# KiCad board aquarius-plus.kicad_pcb (continued)
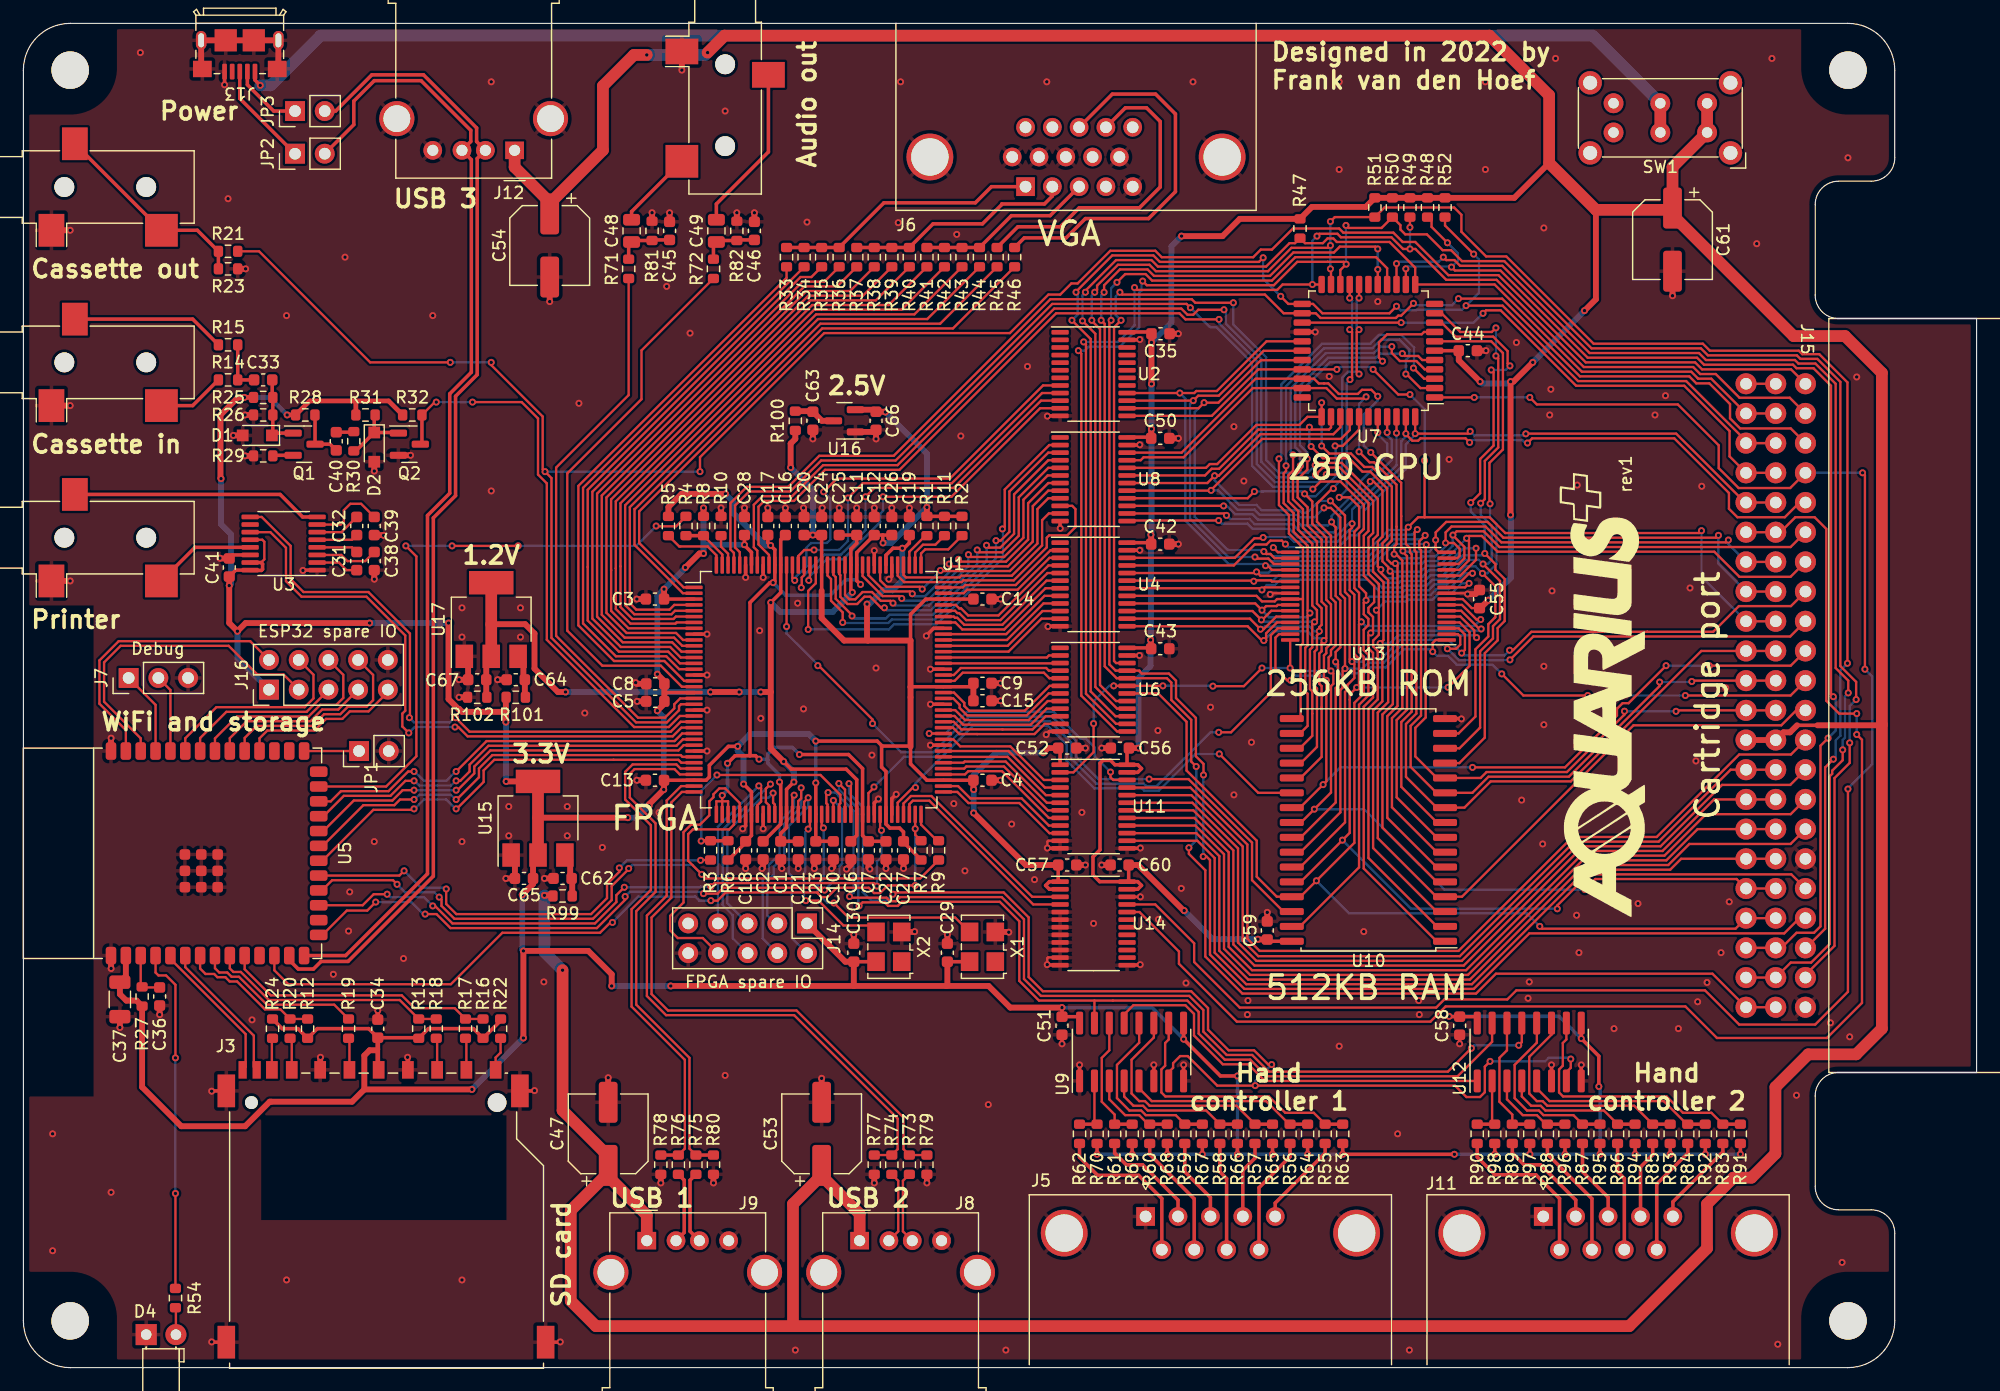
[diagram p0: board, top side]
## Routing (per net, layer and track width the routed paths; a pad name or vN(x,y) marks a point on that pad's centre or on a via; arc(x,y) is an arc through that point) (continued)
A7: length 109.4
  Top w0.2: J15.14 151.09,67.65 146.72,67.65 144.57,69.8 126.04,69.8 124.69,71.15 123.6,71.15 v1(123.4,70.95) 123.6,70.75 123.6,69.07 122.78,68.25 U13.13 ; 120.84,41.56 116.2,46.2 116.2,55.88 117.09,56.77 117.09,67.9 v1(116.85,68.14) 116.7,68.29 116.7,68.48 116.2,68.98 116.2,70.51 116.6,70.91 116.6,75.21 115.16,76.65 114.49,76.65 113.34,77.8 111.1,77.8 v1(110.1,78.8) ; U8.19 101.03,76.33 101.6,76.9 102.23,76.9 105.58,80.25 109.75,80.25 v1(109.95,80.45) 110.15,80.25 111.62,80.25 111.8,80.42 U7.35
  Bottom w0.2: v1(110.1,78.8) 109.95,78.95 v1(109.95,80.45) ; v1(116.85,68.14) 116.89,68.1 119.48,68.1 119.99,68.6 121.06,68.6 121.71,69.25 121.71,69.25 122.98,70.52 122.98,70.53 v1(123.4,70.95)
A8: length 112.9
  Top w0.2: U13.3 122.72,63.25 123.25,62.72 123.25,61.4 v1(122.97,61.13) ; 109.18,42.83 113,46.65 113,57.8 113.2,58 113.2,58.4 113.8,59 113.8,60.2 v1(113.6,60.4) 113.4,60.6 113.4,65.96 113,66.36 113,72.9 v1(111.75,74.15) ; v1(127.08,61.37) 127.36,61.37 128.93,62.95 144.47,62.95 146.68,65.15 151.12,65.15 J15.16 ; U7.36 112.6,80.45 112,79.85 105.75,79.85 102.2,76.3 v1(101.85,76.3) 101.22,75.67 U8.18
  Bottom w0.2: v1(127.08,61.37) 126.63,60.93 123.17,60.93 v1(122.97,61.13) 121.85,62.25 117.7,62.25 116.15,60.7 114.81,60.7 114.51,60.4 v1(113.6,60.4) ; v1(101.85,76.3) 101.85,75.9 103.95,73.8 105.43,73.8 105.88,73.35 109.1,73.35 109.3,73.15 109.8,73.15 110.8,74.15 v1(111.75,74.15)
A9: length 110.7
  Top w0.2: v1(127.1,60.55) 129.1,62.55 151.06,62.55 J15.18 ; U8.17 101.53,75.03 v1(101.55,75.05) 101.55,75.08 105.92,79.45 112.65,79.45 113.4,80.2 U7.37 ; U13.2 122.65,62.75 122.85,62.55 122.85,61.85 122.5,61.5 v1(121.75,61.5) ; v1(111.2,73.55) 111.78,73.55 112.6,72.74 112.6,66.19 113,65.79 113,59.8 v1(113,59.8) 112.8,59.6 112.8,58.17 112.6,57.97 112.6,47.5 109.19,44.09
  Bottom w0.2: v1(101.55,75.05) 102.13,75.05 103.78,73.4 105.27,73.4 105.71,72.95 108.93,72.95 109.13,72.75 110.4,72.75 v1(111.2,73.55) ; v1(113,59.8) 114.48,59.8 114.98,60.3 116.32,60.3 117.87,61.85 121.4,61.85 v1(121.75,61.5) 122.72,60.53 127.08,60.53 v1(127.1,60.55)
A10: length 109.8
  Top w0.2: U7.38 114.2,80.25 112.8,78.85 v1(112.15,78.85) ; v1(109.55,74.75) 110.2,74.1 110.2,72.2 111.4,71 111.4,65.69 111.8,65.29 111.8,61.95 111.4,61.55 111.4,61.12 111.2,60.92 111.2,59 v1(111.4,58.8) 111.4,58.8 111.4,50.15 v1(111.12,49.88) 109.16,47.91 ; v1(123.9,51.35) 131.8,51.35 136.25,55.8 136.25,56.36 136.73,56.84 137.24,56.84 140.45,60.05 v1(140.45,60.05) ; v1(108.35,58.8) 108.05,58.8 107.05,59.8 107.05,62.45 107.35,62.75 U13.31 ; v1(105.25,74.95) 104.68,74.38 U8.16 ; v1(144.15,60.05) 151.1,60.05 J15.20
  Bottom w0.2: v1(108.35,58.8) 108.75,59.2 111,59.2 v1(111.4,58.8) ; v1(105.25,74.95) 105.95,74.95 105.95,74.96 109.34,74.96 v1(109.55,74.75) 109.74,74.56 110.5,74.56 112.2,76.26 112.2,78.8 v1(112.15,78.85) ; v1(123.9,51.35) 112.6,51.35 v1(111.12,49.88) ; v1(144.15,60.05) v1(140.45,60.05)
A11: length 104.6
  Top w0.2: J15.22 151.09,57.5 v1(142.1,57.5) ; v1(133.75,57.5) 128.25,57.5 v1(126.4,59.35) ; v1(111.85,72.35) 111.81,72.31 111.81,72.29 112.2,71.9 112.2,66.03 112.6,65.63 112.6,61.62 112.2,61.22 v1(112.2,60.38) 112.4,60.18 112.4,58.33 112.2,58.13 112.2,48.35 109.22,45.36 ; U7.40 115.8,80.01 v1(115.8,80) ; v1(102.62,73.72) 102.61,73.72 U8.15 ; v1(120.5,61.25) 120.5,62 120.75,62.25 U13.1
  Bottom w0.2: v1(126.4,59.35) 125.62,60.13 122.56,60.13 121.78,60.9 120.85,60.9 v1(120.5,61.25) 120.29,61.45 118.03,61.45 116.48,59.9 115.14,59.9 114.64,59.4 113.45,59.4 113.25,59.2 112.75,59.2 112.4,59.55 112.4,59.85 112.2,60.05 v1(112.2,60.38) ; v1(142.1,57.5) v1(133.75,57.5) ; v1(102.62,73.72) 102.9,73.72 103.62,73 105.1,73 105.55,72.55 108.77,72.55 109.27,72.05 111.55,72.05 v1(111.85,72.35) 111.85,72.86 114.28,75.28 114.28,75.78 116.6,78.1 116.6,79.05 115.8,79.85 v1(115.8,80)
A12: length 119.9
  Top w0.2: v1(115.15,75.81) 115.44,75.81 116.2,75.04 116.2,71.08 115.8,70.67 115.8,68.54 v1(116.06,68.27) 116.06,67.99 116.69,67.37 116.69,56.93 115.8,56.04 115.8,45.3 120.81,40.28 ; v1(124.2,70.1) 124.2,69.1 122.85,67.75 U13.12 ; U7.41 116.6,80.01 v1(116.6,80) ; v1(102.86,72.91) 102.7,73.08 U8.14 ; U10.4 123,40.28 137.67,54.95 150.3,54.95 151.58,56.23
  Bottom w0.2: v1(124.2,70.1) 123.13,70.1 121.87,68.85 121.87,68.85 121.23,68.2 120.15,68.2 119.65,67.7 117.61,67.7 117.45,67.54 116.53,67.54 116.06,68 v1(116.06,68.27) ; v1(102.86,72.91) 103.17,72.6 104.83,72.6 105.28,72.15 108.51,72.15 109.21,71.45 112.01,71.45 112.45,71.89 112.45,72.89 115.15,75.6 v1(115.15,75.81) 117,77.65 117,79.35 116.6,79.75 v1(116.6,80)
A13: length 123.6
  Top w0.2: v1(121.81,58.2) 123.65,60.04 123.65,62.9 122.8,63.75 U13.4 ; J15.36 151.16,42.2 133.81,42.2 131.15,39.54 v1(131.15,39.25) ; 109.21,41.56 v1(112.78,45.12) 113.4,45.75 113.4,57.15 113.4,57.59 v1(114,58.19) 114.2,58.39 114.2,60.65 113.8,61.05 113.8,66.12 113.4,66.52 113.4,71.66 113.6,71.87 v1(113.6,72.2) ; v1(117.4,79.95) U7.42 ; v1(102.19,72.47) 94.41,72.47
  Bottom w0.2: v1(131.15,39.25) 131.13,39.27 118.63,39.27 v1(112.78,45.12) ; v1(121.81,58.2) 121.75,58.2 121.74,58.19 v1(114,58.19) ; v1(117.4,79.95) 117.4,77.2 113.6,73.4 v1(113.6,72.2) 113.32,72.2 112.17,71.05 108.95,71.05 108.25,71.75 105.11,71.75 104.66,72.2 102.46,72.2 v1(102.19,72.47)
A14: length 70.9
  Top w0.2: v1(123.65,79.15) 123.3,79.5 119.45,79.5 119.25,79.3 118.75,79.3 118.2,79.85 v1(118.2,79.9) U7.43 ; v1(128.6,79.1) 129,79.5 141.15,79.5 145.82,74.83 145.82,73.47 146.55,72.75 150.6,72.75 151.86,74.01 ; U4.22 103.57,69.28 105.25,70.95 105.93,70.95 v1(106,71.02)
  Bottom w0.2: v1(118.2,79.9) 118.2,79.65 117.8,79.25 117.8,77.03 114.2,73.44 114.2,71.95 113.85,71.6 113.29,71.6 112.34,70.65 108.65,70.65 108.25,71.05 106.03,71.05 v1(106,71.02) ; v1(128.6,79.1) 128.4,79.1 128.15,79.35 123.85,79.35 v1(123.65,79.15)
A15: length 66.9
  Top w0.2: U7.44 v1(119,79.9) 123.5,79.9 v1(123.7,80.1) ; v1(107.9,70.45) 107.6,70.75 106.62,70.75 106.29,70.42 105.28,70.42 103.49,68.62 U4.21 ; 149.82,74.01 147.21,74.01 141.32,79.9 128.47,79.9 v1(128.46,79.89)
  Bottom w0.2: v1(107.9,70.45) 108.15,70.2 112.45,70.2 113.45,71.2 114.02,71.2 114.6,71.79 114.6,73.27 118.2,76.87 118.2,79 119,79.8 v1(119,79.9) ; v1(123.7,80.1) 124.05,79.75 128.32,79.75 v1(128.46,79.89)
AUDIO_L: length 48.7
  Top w0.2: U1.20 56.15,57.25 55.65,56.75 55.65,56.4 54.85,55.6 52.55,55.6 45.55,62.6 45.55,77 51.75,83.2 R71.1
AUDIO_R: length 48.1
  Top w0.2: R72.1 52.85,87.03 52.85,82.85 46.5,76.5 46.5,63.05 49.5,60.05 54.5,60.05 56.3,58.25 U1.18
BA14: length 132.8
  Top w0.2: v1(110.45,77.2) 110.65,77.4 112.71,77.4 115.8,74.31 115.8,71.24 115.4,70.84 115.4,68.09 116.29,67.2 116.29,62.24 v1(116,61.95) 116.19,61.76 116.19,57 115.4,56.21 115.4,44.45 120.84,39.02 ; U1.141 60.75,69.7 60.45,70 60.45,73.95 61.85,75.35 65.39,75.35 68.05,78.01 74.41,78.01 87.8,91.4 99.9,91.4 100.2,91.1 v1(103.45,91.1) ; v1(124.25,62.45) 124.05,62.65 124.05,63.07 122.87,64.25 U13.5
  Bottom w0.2: v1(124.25,62.45) 124.05,62.65 117.54,62.65 116.84,61.95 v1(116,61.95) ; v1(103.45,91.1) 103.45,89.25 106.25,86.45 106.25,77.65 107.34,76.55 109.8,76.55 v1(110.45,77.2)
BA15: length 131
  Top w0.2: v1(99.78,90.67) 99.45,91 87.97,91 74.58,77.61 68.21,77.61 65.55,74.95 62.05,74.95 60.85,73.75 60.85,70.17 61.25,69.77 U1.140 ; U13.11 122.91,67.25 123.61,67.95 v1(123.9,67.95) ; 109.15,37.75 114.2,42.8 114.2,56.7 114.99,57.5 114.99,60.98 114.59,61.38 114.59,63.12 114.99,63.52 114.99,64.06 114.6,64.45 114.6,65.45 v1(114.8,65.65) 114.8,66.25 114.2,66.84 114.2,71.34 114.6,71.74 114.6,73.81 112.62,75.8 110.89,75.8 v1(110.25,75.16)
  Bottom w0.2: v1(110.25,75.16) 110.05,75.36 106.84,75.36 105.05,77.15 105.05,85.95 102,89 101.5,89 101.45,89.05 101.4,89.05 v1(99.78,90.67) ; v1(114.8,65.65) 115.1,65.95 115.82,65.95 115.83,65.94 118.11,65.94 118.27,66.1 120.32,66.1 120.82,66.6 121.89,66.6 122.53,67.25 122.55,67.25 123.25,67.95 v1(123.9,67.95)
BA16: length 130
  Top w0.2: v1(102.65,90.5) 100.45,90.5 100.02,90.08 99.53,90.08 99,90.6 88.13,90.6 74.74,77.21 68.38,77.21 65.72,74.55 63.18,74.55 62.45,73.82 62.45,70.19 62.75,69.89 U1.137 ; v1(110.47,76.38) 111.1,77 112.55,77 115.4,74.14 115.4,71.41 115,71.01 115,67.92 115.89,67.03 115.89,65.01 v1(115.68,64.8) 115.89,64.59 115.89,62.69 115.4,62.2 115.4,61.7 115.79,61.31 115.79,57.17 115,56.38 115,43.6 120.85,37.75 ; U13.10 123.26,66.75 v1(123.6,67.1)
  Bottom w0.2: v1(123.6,67.1) 122.96,67.1 122.07,66.2 120.98,66.2 120.48,65.7 118.44,65.7 118.28,65.54 116.42,65.54 v1(115.68,64.8) ; v1(110.47,76.38) 110.25,76.15 107.18,76.15 105.85,77.48 105.85,86.28 102.83,89.3 102.83,90.32 v1(102.65,90.5)
BA17: length 131.8
  Top w0.2: U1.135 63.75,69.53 62.85,70.42 62.85,73.65 63.35,74.15 65.88,74.15 68.54,76.81 74.91,76.81 88.3,90.2 98.84,90.2 99.36,89.68 v1(102.23,89.68) ; v1(124.64,63.19) 124.49,63.19 122.93,64.75 U13.6 ; 120.82,36.47 114.6,42.7 114.6,56.54 115.39,57.33 115.39,61.15 114.99,61.55 114.99,62.64 v1(115.2,62.85) 115.39,63.04 115.39,64.22 115,64.62 115,65 115.49,65.49 115.49,66.87 114.6,67.76 114.6,71.17 115,71.57 115,73.98 112.58,76.4 v1(111.4,76.4)
  Bottom w0.2: v1(102.23,89.68) 102.23,89.34 105.45,86.11 105.45,77.31 107.01,75.75 110.7,75.75 111.35,76.4 v1(111.4,76.4) ; v1(115.2,62.85) 115.4,63.05 124.5,63.05 v1(124.64,63.19)
BA18: length 63.7
  Top w0.2: v1(96.25,50.35) 99.62,50.35 105.05,44.92 105.05,41.7 107.74,39.02 ; v1(72.6,55.1) 72.6,55.45 68,60.05 v1(67.93,60.05) ; v1(65.25,63.4) U1.132
  Bottom w0.2: v1(67.93,60.05) 67.93,60.12 65.25,62.8 v1(65.25,63.4) ; v1(72.6,55.1) 75.05,52.65 77.8,52.65 80.85,55.7 87.93,55.7 89.99,53.64 89.99,52.26 91.9,50.35 v1(96.25,50.35)
BUSACK#: length 170.5
  Top w0.2: v1(156.7,57.15) 156.7,58.67 155.35,60.02 155.35,84.33 153.38,86.3 151.93,86.3 151.63,86.6 144.02,86.6 143.43,87.2 134.08,87.2 126.61,94.66 123,94.66 122.06,95.6 121.35,95.6 120,96.95 118.15,96.95 117.74,97.36 117.74,97.74 R50.2 116.12,97.5 113.3,97.5 v1(113.08,97.72) ; U7.20 112.6,93.9 v1(113.1,94.4) 112.9,94.6 111.5,94.6 111.5,94.6 108.92,94.6 106.91,92.6 96.05,92.6 v1(95.7,92.95) ; v1(90.2,87) 90.45,86.75 90.45,57.48 93.51,54.42 U6.13 ; v1(156.15,53.45) 156.15,51.73 154.85,50.43 154.85,36.08 152.37,33.6
  Bottom w0.2: v1(156.7,57.15) 156.15,56.6 v1(156.15,53.45) ; v1(95.7,92.95) 95.6,92.85 95.6,92.15 95.4,91.95 95.4,89 93.75,87.35 91.1,87.35 90.75,87 v1(90.2,87) ; v1(113.1,94.4) 113.08,94.42 v1(113.08,97.72)
BUSREQ#: length 114.4
  Top w0.2: v1(110.6,96.8) 110.8,97 112.35,97 112.65,96.7 116.97,96.7 117.96,95.7 v1(118.55,95.7) 119.01,95.7 121.65,93.06 125.95,93.06 133.42,85.6 142.77,85.6 143.36,85 144.7,85 146.73,82.97 151.02,82.97 J15.4 ; v1(90.65,87.75) 90.85,87.55 90.85,57.65 93.43,55.08 U6.14 ; v1(118.55,97.55) R49.2 ; v1(95,92.4) 95.2,92.2 107.2,92.2 107.66,92.66 v1(110.21,92.66) U7.22
  Bottom w0.2: v1(110.21,92.66) 110.21,96.41 v1(110.6,96.8) ; v1(90.65,87.75) 93.58,87.75 95,89.17 v1(95,92.4) ; v1(118.55,95.7) v1(118.55,97.55)
CART_CE#: length 120.3
  Top w0.2: v1(156.75,54.17) 157.2,53.71 157.2,31.2 154.2,28.2 144.8,28.2 142.1,30.9 121.6,30.9 120.3,29.6 103.75,29.6 98.8,34.55 98.8,35.6 95.43,38.97 U14.20 ; J15.11 149.82,71.47 ; v1(156.75,55.95) 155.25,55.95 154.15,57.05 154.15,71.75 153.15,72.75 151.5,72.75 150.22,71.47
  Bottom w0.2: v1(156.75,54.17) v1(156.75,55.95)
CASSETTE_IN: length 48.6
  Top w0.2: v1(38.4,82.6) 42.6,82.6 44,81.2 44,76.4 44.75,75.65 44.75,62.27 52.22,54.8 55.18,54.8 56.13,55.75 U1.23 ; R32.1 35.17,82.6 v1(35.3,82.6)
  Top w0.3: R32.1 34.08,79.14
  Bottom w0.2: v1(38.4,82.6) v1(35.3,82.6)
CASSETTE_OUT: length 190.4
  Top w0.2: U1.21 56.22,56.75 56.06,56.59 56.06,56.24 55.02,55.2 52.38,55.2 45.15,62.43 45.15,76.1 v1(44.6,76.65) 44.4,76.85 44.4,81.37 40,85.77 v1(40,86) ; R21.1 20.15,95.5 29.65,86 v1(36.5,86) ; v1(57.85,76.65) 57.85,77.89 68.47,88.51 84.35,88.51 87.64,91.8 88.65,91.8 89.6,92.75 90.14,92.75 92.94,95.55 96.78,95.55 97.33,95 105.15,95 105.8,95.65 106.75,95.65 108.55,97.45 112.5,97.45 112.85,97.1 117.13,97.1 117.93,96.3 119,96.3 121.84,93.46 126.12,93.46 133.58,86 142.93,86 143.53,85.4 151.13,85.4 J15.2
  Bottom w0.2: v1(36.5,86) v1(40,86) ; v1(57.85,76.65) v1(44.6,76.65)
D0: length 83.5
  Top w0.2: v1(123.75,74) 124.55,74.8 124.55,77.73 125.7,78.88 125.7,85.15 v1(125.5,85.35) ; 121.25,89.4 122.45,88.2 125.67,88.2 126.9,86.97 126.9,85.9 v1(127.1,85.7) ; U10.13 122.76,51.72 124.95,53.9 124.95,61.12 126.05,62.22 126.05,63.27 126.65,63.87 126.65,67.47 125.86,68.26 125.86,68.74 v1(124.95,69.65) ; U13.21 105.76,67.75 v1(105.44,68.07) 105.34,67.97 U4.20
  Bottom w0.2: v1(127.1,85.7) 126.75,85.35 v1(125.5,85.35) ; v1(105.44,68.07) 105.5,68.01 106.46,68.01 106.65,68.2 115.27,68.2 116.33,67.14 117.62,67.14 117.78,67.3 119.81,67.3 120.32,67.8 121.39,67.8 122.04,68.45 122.04,68.45 123.09,69.5 124.8,69.5 v1(124.95,69.65) 124.95,72.05 123.75,73.25 v1(123.75,74)
D1: length 81.8
  Top w0.2: v1(125.9,86.55) 126.1,86.35 126.1,78.72 124.95,77.57 124.95,74.3 v1(124.6,73.95) ; v1(124.8,68.75) 126.25,67.3 126.25,64.03 125.65,63.43 125.65,62.38 124.55,61.28 124.55,54.75 122.78,52.98 U10.14 ; U4.19 105.15,67.33 v1(105.2,67.27) 105.28,67.35 106.65,67.35 106.75,67.25 U13.22 ; v1(125.9,88.95) 125.55,88.6 122.85,88.6 121.25,90.2
  Bottom w0.2: v1(105.2,67.27) 105.27,67.35 106.85,67.35 107.3,67.8 115.1,67.8 116.16,66.74 117.78,66.74 117.94,66.9 119.98,66.9 120.48,67.4 121.56,67.4 122.2,68.05 122.21,68.05 123.26,69.1 124.45,69.1 v1(124.8,68.75) 125.2,68.75 125.55,69.1 125.55,72.01 124.6,72.97 v1(124.6,73.95) ; v1(125.9,88.95) v1(125.9,86.55)
D2: length 78.1
  Top w0.2: v1(124.75,67.95) 125.85,66.85 125.85,64.2 125.25,63.6 125.25,62.55 124.15,61.45 124.15,55.7 122.71,54.25 U10.15 ; U7.7 125.5,87.8 126.5,86.8 126.5,78.55 125.35,77.4 125.35,73.95 v1(125.4,73.9) ; U4.18 105.75,66.67 v1(105.9,66.53) 106.12,66.75 U13.23
  Bottom w0.2: v1(125.4,73.9) 125.4,72.73 125.95,72.18 125.95,68.75 125.15,67.95 v1(124.75,67.95) 124.15,68.55 123.28,68.55 122.37,67.65 122.37,67.65 121.72,67 120.65,67 120.15,66.5 118.11,66.5 117.95,66.34 116,66.34 114.93,67.4 107.47,67.4 107.01,66.95 106.31,66.95 v1(105.9,66.53)
D3: length 62.5
  Top w0.2: 109.4,65.75 109.4,70.15 108.2,71.35 108.2,72.35 108.2,72.35 108.2,72.94 107.35,73.79 v1(107.35,77.75) ; 109.4,65.75 109.4,61.95 109.2,61.75 109.2,55.5 ; 109.4,65.75 U13.25 107.18,65.75 106.99,65.55 105.9,65.55 105.43,66.03 U4.17 ; U7.3 119.76,84.6 v1(118.85,85.51)
  Bottom w0.2: v1(107.35,77.75) 107.55,77.95 107.55,84.11 111.04,87.6 115.16,87.6 115.91,88.35 117.82,88.35 118.9,87.27 118.9,85.56 v1(118.85,85.51)
D4: length 67.8
  Top w0.2: U4.16 105.32,65.38 v1(105.9,64.8) 106.25,65.15 107.15,65.15 107.25,65.25 U13.26 ; U7.2 119.45,83.8 118.25,85 v1(118.2,85) ; v1(107.96,77.15) 107.96,76.71 107.75,76.5 107.75,73.96 108.6,73.1 108.6,72.1 108.6,72.1 108.6,71.52 109.8,70.32 109.8,64.75 v1(110,64.55) 109.8,64.35 109.8,61.78 109.6,61.58 109.6,57.85 109.8,57.65 109.8,54.9 109.16,54.25
  Bottom w0.2: v1(118.2,85) 118.2,86.2 118.5,86.5 118.5,87.1 117.65,87.95 116.07,87.95 115.32,87.2 111.2,87.2 107.95,83.95 107.95,77.16 v1(107.96,77.15) ; v1(110,64.55) 109.65,64.2 106.5,64.2 v1(105.9,64.8)
D5: length 67
  Top w0.2: U4.15 105.09,64.72 v1(105.85,63.97) 105.92,63.97 106.7,64.75 U13.27 ; v1(117,87.35) 117,86.8 117.69,86.11 119.1,86.11 119.81,85.4 U7.4 ; 109.13,52.98 110.2,54.05 110.2,55.95 110.2,57.85 110,58.05 110,61.42 110.2,61.62 110.2,63.6 v1(110.4,63.8) 110.6,64 110.6,64.8 110.2,65.2 110.2,70.48 109,71.68 109,73.27 108.15,74.12 108.15,76.33 108.56,76.74 v1(108.56,78.08)
  Bottom w0.2: v1(117,87.35) 116.04,87.35 115.49,86.8 111.37,86.8 108.35,83.78 108.35,78.29 v1(108.56,78.08) ; v1(105.85,63.97) 106.02,63.8 110.4,63.8 v1(110.4,63.8)
D6: length 67.8
  Top w0.2: 109.22,51.72 110.6,53.1 110.6,57.95 110.6,58.1 110.4,58.3 110.4,61.25 110.6,61.45 110.6,62.65 110.8,62.85 v1(110.8,63) 110.8,63.34 111,63.54 111,64.96 110.6,65.36 110.6,70.67 109.4,71.87 109.4,73.43 108.55,74.29 108.55,76.16 109.18,76.79 v1(109.18,77.15) ; U13.28 107.12,64.25 106.04,63.17 v1(105.77,63.17) 104.87,64.08 U4.14 ; v1(117.9,86.75) 118.1,86.55 119.25,86.55 119.6,86.2 U7.5
  Bottom w0.2: v1(117.9,86.75) 116,86.75 115.65,86.4 111.53,86.4 108.75,83.62 108.75,78.73 109.18,78.31 v1(109.18,77.15) ; v1(110.8,63) 110.35,63 109.95,63.4 106.13,63.4 105.9,63.17 v1(105.77,63.17)
D7: length 72
  Top w0.2: U4.13 104.67,63.42 105.89,62.2 v1(106.05,62.2) 106.25,62.2 106.25,62.82 107.18,63.75 U13.29 ; v1(116.2,86.1) 115.9,86.4 115.9,87.7 116.6,88.4 119.55,88.4 119.75,88.6 U7.8 ; v1(109.78,77.75) 109.78,76.83 108.95,76 108.95,74.45 109.8,73.6 109.8,72.03 111,70.84 111,65.53 111.4,65.13 111.4,62.4 v1(111.2,62.2) 111,62 111,61.29 110.8,61.09 110.8,58.5 111,58.3 111,56.5 111,52.25 109.19,50.44
  Bottom w0.2: v1(109.78,77.75) 109.78,78.27 109.15,78.9 109.15,83.45 111.7,86 116.1,86 v1(116.2,86.1) ; v1(111.2,62.2) 111,62.4 110.39,62.4 109.79,63 106.85,63 v1(106.05,62.2)
DE0: length 76
  Top w0.2: U11.21 99.78,49.62 104.65,44.75 104.65,36.7 105.7,35.65 122.7,35.65 132.45,45.4 139.65,45.4 146.7,52.45 151.12,52.45 J15.26
DE1: length 72.5
  Top w0.2: U11.20 99.86,48.97 104.25,44.58 104.25,36.53 105.59,35.2 122.81,35.2 132.61,45 139.81,45 145.97,51.15 J15.27 149.82,51.15
DE2: length 75.1
  Top w0.2: J15.28 151.06,49.85 145.23,49.85 139.98,44.6 132.78,44.6 122.98,34.8 105.42,34.8 103.85,36.37 103.85,44.42 99.94,48.33 U11.19
DE3: length 71.6
  Top w0.2: U11.18 100.03,47.67 103.45,44.25 103.45,36.2 105.26,34.4 123.15,34.4 132.95,44.2 140.14,44.2 144.56,48.61 J15.29 149.82,48.61
DE4: length 74.2
  Top w0.2: J15.30 151.1,47.35 143.86,47.35 140.31,43.8 133.15,43.8 123.35,34 105.05,34 103.05,36 103.05,44.09 100.11,47.03 U11.17
DE5: length 70.7
  Top w0.2: U11.16 100.2,46.38 102.65,43.92 102.65,35.83 104.89,33.6 123.51,33.6 133.31,43.4 140.47,43.4 143.15,46.07 149.82,46.07
DE6: length 73.3
  Top w0.2: U11.15 100.28,45.72 102.25,43.76 102.25,35.67 104.72,33.2 123.68,33.2 133.48,43 140.64,43 142.44,44.8 151.09,44.8 J15.32
DE7: length 69.7
  Top w0.2: U11.14 100.37,45.08 101.85,43.59 101.85,35.5 104.55,32.8 123.85,32.8 133.64,42.6 140.8,42.6 141.74,43.53 J15.33 149.82,43.53
DE_OE#: length 22
  Top w0.2: U11.22 93.18,50.28 92.95,50.5 v1(92.95,50.95) ; U1.83 v1(77.45,54.25)
  Bottom w0.2: v1(92.95,50.95) 91.6,52.3 91.6,53.05 90.85,53.8 90.39,53.8 88.1,56.1 80.68,56.1 78.83,54.25 v1(77.45,54.25)
ESP_CTS: length 35.2
  Top w0.2: v1(33.4,51) 32.9,51 31.22,49.32 27.15,49.32 26.28,48.44 U5.24 ; U1.26 56.33,54.25 55.68,53.6 39.6,53.6 v1(37,51)
  Bottom w0.2: v1(33.4,51) 33.45,51 34.25,50.2 36.15,50.2 36.95,51 v1(37,51)
ESP_EXP0: length 24.5
  Top w0.2: U5.39 8.76,54.54 6.5,56.8 6.5,60.5 8.15,62.15 19.39,62.15 J16.2
ESP_EXP1: length 27.7
  Top w0.2: J16.3 22.24,59.3 20,59.3 17.55,61.75 8.32,61.75 6.9,60.33 6.9,56.97 10.03,53.84 U5.38
ESP_EXP2: length 17.3
  Top w0.2: J16.4 24.8,59.28 24.8,57.25 24.05,56.5 16.5,56.5 13.84,53.84 U5.35
ESP_EXP3: length 13.8
  Top w0.2: U5.34 15.11,53.86 17.35,56.1 24.22,56.1 26.08,57.96
ESP_EXP4: length 17.3
  Top w0.2: J16.6 27.35,59.27 27.35,57.3 26.75,56.7 25.38,56.7 24.38,55.7 18.25,55.7 16.38,53.83 U5.33
ESP_EXP5: length 13.8
  Top w0.2: U5.32 17.65,53.85 19.1,55.3 24.55,55.3 25.54,56.3 26.92,56.3 J16.7
ESP_EXP6: length 17.4
  Top w0.2: J16.8 29.9,59.26 29.9,57.1 29.34,56.54 27.74,56.54 27.1,55.9 25.71,55.9 24.71,54.9 19.95,54.9 18.92,53.87 U5.31
ESP_EXP7: length 13.7
  Top w0.2: U5.30 20.19,53.84 20.85,54.5 24.88,54.5 25.88,55.5 27.27,55.5 27.91,56.14 29.51,56.14 31.16,57.79
ESP_NOTIFY: length 36.7
  Top w0.2: v1(33.4,47.8) 33.32,47.72 29.92,47.72 25.56,43.36 ; U1.31 56.25,51.75 56,52 50.45,52 40.26,52 39.35,51.09 39.35,50.1 37.05,47.8 v1(37,47.8)
  Bottom w0.2: v1(37,47.8) 36.95,47.8 36.15,48.6 34.25,48.6 33.45,47.8 v1(33.4,47.8)
ESP_RTS: length 35.1
  Top w0.2: U1.28 56.46,53.25 56.01,52.8 39.93,52.8 38.55,51.42 38.55,50.83 37.12,49.4 v1(37,49.4) ; v1(33.4,49.4) 32.43,49.4 31.55,48.52 28.25,48.52 25.64,45.91
  Bottom w0.2: v1(33.4,49.4) v1(37,49.4)
ESP_RX: length 35.1
  Top w0.2: v1(37,50.2) 37.35,50.2 38.15,51 38.15,51.58 39.77,53.2 55.84,53.2 56.39,53.75 U1.27 ; 25.66,47.17 27.4,48.92 31.38,48.92 32.67,50.2 v1(33.4,50.2)
  Bottom w0.2: v1(33.4,50.2) 33.45,50.2 33.85,49.8 36.55,49.8 36.95,50.2 v1(37,50.2)
ESP_TX: length 35.8
  Top w0.2: U1.30 56.35,52.25 56.2,52.4 45.85,52.4 40.1,52.4 38.95,51.25 38.95,50.5 37.05,48.6 v1(37,48.6) ; 25.58,44.64 29.07,48.12 31.72,48.12 32.2,48.6 v1(33.4,48.6)
  Bottom w0.2: v1(33.4,48.6) 33.45,48.6 33.85,49 36.55,49 36.95,48.6 v1(37,48.6)
ESP_USB_DM: length 98.2
  Top w0.3: JP3.2 26.69,107.5 29.79,110.6 34.21,110.6 38.75,106.06 38.75,104.89 J12.2 38.8,103.44 38.8,84.95 36.95,83.1 36.95,74.59 35.05,72.69 35.05,42.04 27.76,34.75 25.45,34.75 24.8,34.1 23.5,34.1 22.73,34.87
ESP_USB_DP: length 97.3
  Top w0.3: JP2.2 28.25,106.34 28.25,108.35 30,110.1 34,110.1 38.25,105.85 38.25,104.89 J12.3 38.3,103.34 38.3,85.16 36.45,83.31 36.45,74.8 34.55,72.9 34.55,42.25 27.55,35.25 U5.14
FPGA_A0: length 35.2
  Top w0.2: v1(65.95,67.35) 65.75,67.55 U1.131 ; U2.8 87.18,84.03 79.21,76.06 69.56,76.06 v1(68.43,74.92)
  Bottom w0.2: v1(68.43,74.92) 69,74.35 69,70.85 68.7,70.55 67.35,70.55 66.95,70.15 66.95,68.56 65.95,67.56 v1(65.95,67.35)
FPGA_A1: length 31.1
  Top w0.2: v1(67.6,69.95) 66.77,69.95 66.25,69.43 U1.130 ; U2.9 87.09,83.38 79.38,75.66 71.76,75.66 v1(70.5,74.4)
  Bottom w0.2: v1(67.6,69.95) 69.74,69.95 70.5,70.72 v1(70.5,74.4)
FPGA_A2: length 33
  Top w0.2: U1.129 66.75,67.8 66.55,67.6 66.55,66.76 v1(66.51,66.72) ; v1(72,74.5) 72.76,75.26 79.54,75.26 87.01,82.72 U2.10
  Bottom w0.2: v1(72,74.5) 72,71.65 69.9,69.55 68.5,69.55 66.55,67.6 66.55,66.77 v1(66.51,66.72)
FPGA_A3: length 30.2
  Top w0.2: U2.11 86.93,82.08 79.35,74.5 v1(73.5,74.5) ; v1(67.15,67.35) 67.25,67.45 U1.128
  Bottom w0.2: v1(73.5,74.5) 73.5,73.3 73.25,73.05 73.25,72.33 70.07,69.15 68.67,69.15 67.15,67.63 v1(67.15,67.35)
FPGA_A4: length 37.2
  Top w0.2: U1.127 67.75,67.1 67.1,66.45 v1(67.1,63.15) ; U8.2 87.71,78.92 83.9,75.12 83.9,71.95 v1(83.7,71.75)
  Bottom w0.2: v1(83.7,71.75) 83.76,71.69 83.76,69.27 78.09,63.6 74.45,63.6 74,63.15 v1(67.1,63.15)
FPGA_A5: length 33
  Top w0.2: U8.3 87.62,78.28 84.3,74.95 84.3,71.5 83.55,70.75 v1(83.16,70.75) ; v1(70.05,63.75) 70.05,64.61 69.05,65.61 69.05,67.46 68.75,67.77 U1.125
  Bottom w0.2: v1(83.16,70.75) 83.16,69.23 77.93,64 74.25,64 73.95,63.7 70.1,63.7 v1(70.05,63.75)
FPGA_A6: length 34.1
  Top w0.2: U1.124 69.25,67.83 69.45,67.63 69.45,65.77 70.85,64.37 v1(70.85,64.3) ; U8.4 87.62,77.62 84.7,74.7 84.7,71.33 83.52,70.15 82.55,70.15 v1(82.35,70.35)
  Bottom w0.2: 71.05,64.1 v1(70.85,64.3) ; 71.05,64.1 73.75,64.1 ; 71.05,64.1 73.75,64.1 ; 73.75,64.1 74.05,64.4 77.76,64.4 82.35,68.99 v1(82.35,70.35)
FPGA_A7: length 30.4
  Top w0.2: v1(73.62,65) 73.34,65 72.39,65.95 71.91,65.95 71.29,65.33 70.46,65.33 69.85,65.94 69.85,67.79 69.75,67.9 U1.123 ; v1(81.55,69.95) 81.55,69.9 81.7,69.75 83.68,69.75 85.1,71.17 85.1,74.45 87.62,76.97 U8.5
  Bottom w0.2: v1(81.55,69.95) 81.55,68.75 77.6,64.8 73.81,64.8 v1(73.62,65)
FPGA_A8: length 29.1
  Top w0.2: v1(74.35,65.4) 74.15,65.6 73.31,65.6 72.56,66.35 71.75,66.35 71.12,65.73 70.63,65.73 70.25,66.1 U1.122 ; U8.6 87.57,76.33 85.5,74.25 85.5,71 83.85,69.35 81,69.35 v1(80.8,69.55)
  Bottom w0.2: v1(80.8,69.55) 80.8,68.57 77.43,65.2 74.55,65.2 v1(74.35,65.4)
FPGA_A9: length 25.4
  Top w0.2: v1(75.1,65.8) 74.9,66 73.47,66 71.75,67.72 U1.119 ; U8.7 87.62,75.67 85.9,73.95 85.9,70.84 84.01,68.95 80.15,68.95 v1(79.95,69.15)
  Bottom w0.2: v1(75.1,65.8) 75.3,65.6 77.27,65.6 79.95,68.28 v1(79.95,69.15)
FPGA_A10: length 24.1
  Top w0.2: U8.8 87.62,75.03 86.3,73.7 86.3,70.67 84.18,68.55 79.35,68.55 v1(79.15,68.75) ; U1.118 72.25,67.79 73.64,66.4 75.8,66.4 v1(76,66.2)
  Bottom w0.2: v1(76,66.2) 76.2,66 77.1,66 79.15,68.05 v1(79.15,68.75)
FPGA_A11: length 22
  Top w0.2: v1(78.4,68.2) 78.45,68.15 84.34,68.15 86.7,70.51 86.7,73.45 87.62,74.38 U8.9 ; v1(76.85,66.6) 76.65,66.8 73.8,66.8 73.25,67.35 U1.116
  Bottom w0.2: v1(76.85,66.6) 78.25,68 78.25,68.05 v1(78.4,68.2)
FPGA_A12: length 21.7
  Top w0.2: U8.10 89.68,73.72 89.95,73.45 89.95,71.9 89.25,71.2 87.7,71.2 87.5,71 87.5,70.18 84.67,67.35 80.37,67.35 80.22,67.2 75.3,67.2 74.75,67.75 U1.113
FPGA_A13: length 17.9
  Top w0.2: U1.112 75.25,67.82 75.47,67.6 80.05,67.6 80.2,67.75 84.51,67.75 87.1,70.34 87.1,72.5 87.68,73.08 U8.11
FPGA_A14: length 11.3
  Top w0.2: U1.108 80.33,66.75 80.53,66.95 84.84,66.95 87.81,69.92 U4.2
FPGA_A15: length 11.2
  Top w0.2: U4.3 87.73,69.28 85,66.55 80.7,66.55 80.4,66.25 U1.107
FPGA_BUSACK#: length 10.6
  Top w0.2: U1.84 79.47,54.75 80.02,54.2 81.55,54.2 86.45,54.2 87.32,55.08 U6.11
FPGA_BUSREQ#: length 10.7
  Top w0.2: U1.85 79.54,55.25 80.19,54.6 83.71,54.6 86.28,54.6 87.41,55.72 U6.10
FPGA_CART_CE#: length 17.6
  Top w0.2: U14.4 86.34,39.62 77.47,48.5 76.05,48.5 75.75,48.2 U1.70
FPGA_D0: length 12.1
  Top w0.2: U4.4 87.64,68.62 83.37,64.35 80.77,64.35 80.17,64.95 80.02,64.95 79.72,65.25 U1.105
FPGA_D1: length 12
  Top w0.2: U4.5 87.56,67.97 83.53,63.95 80.61,63.95 80.01,64.55 79.85,64.55 79.65,64.75 U1.104